# Allegro board reComputer Industrial J201_V1.2.brd (continued)
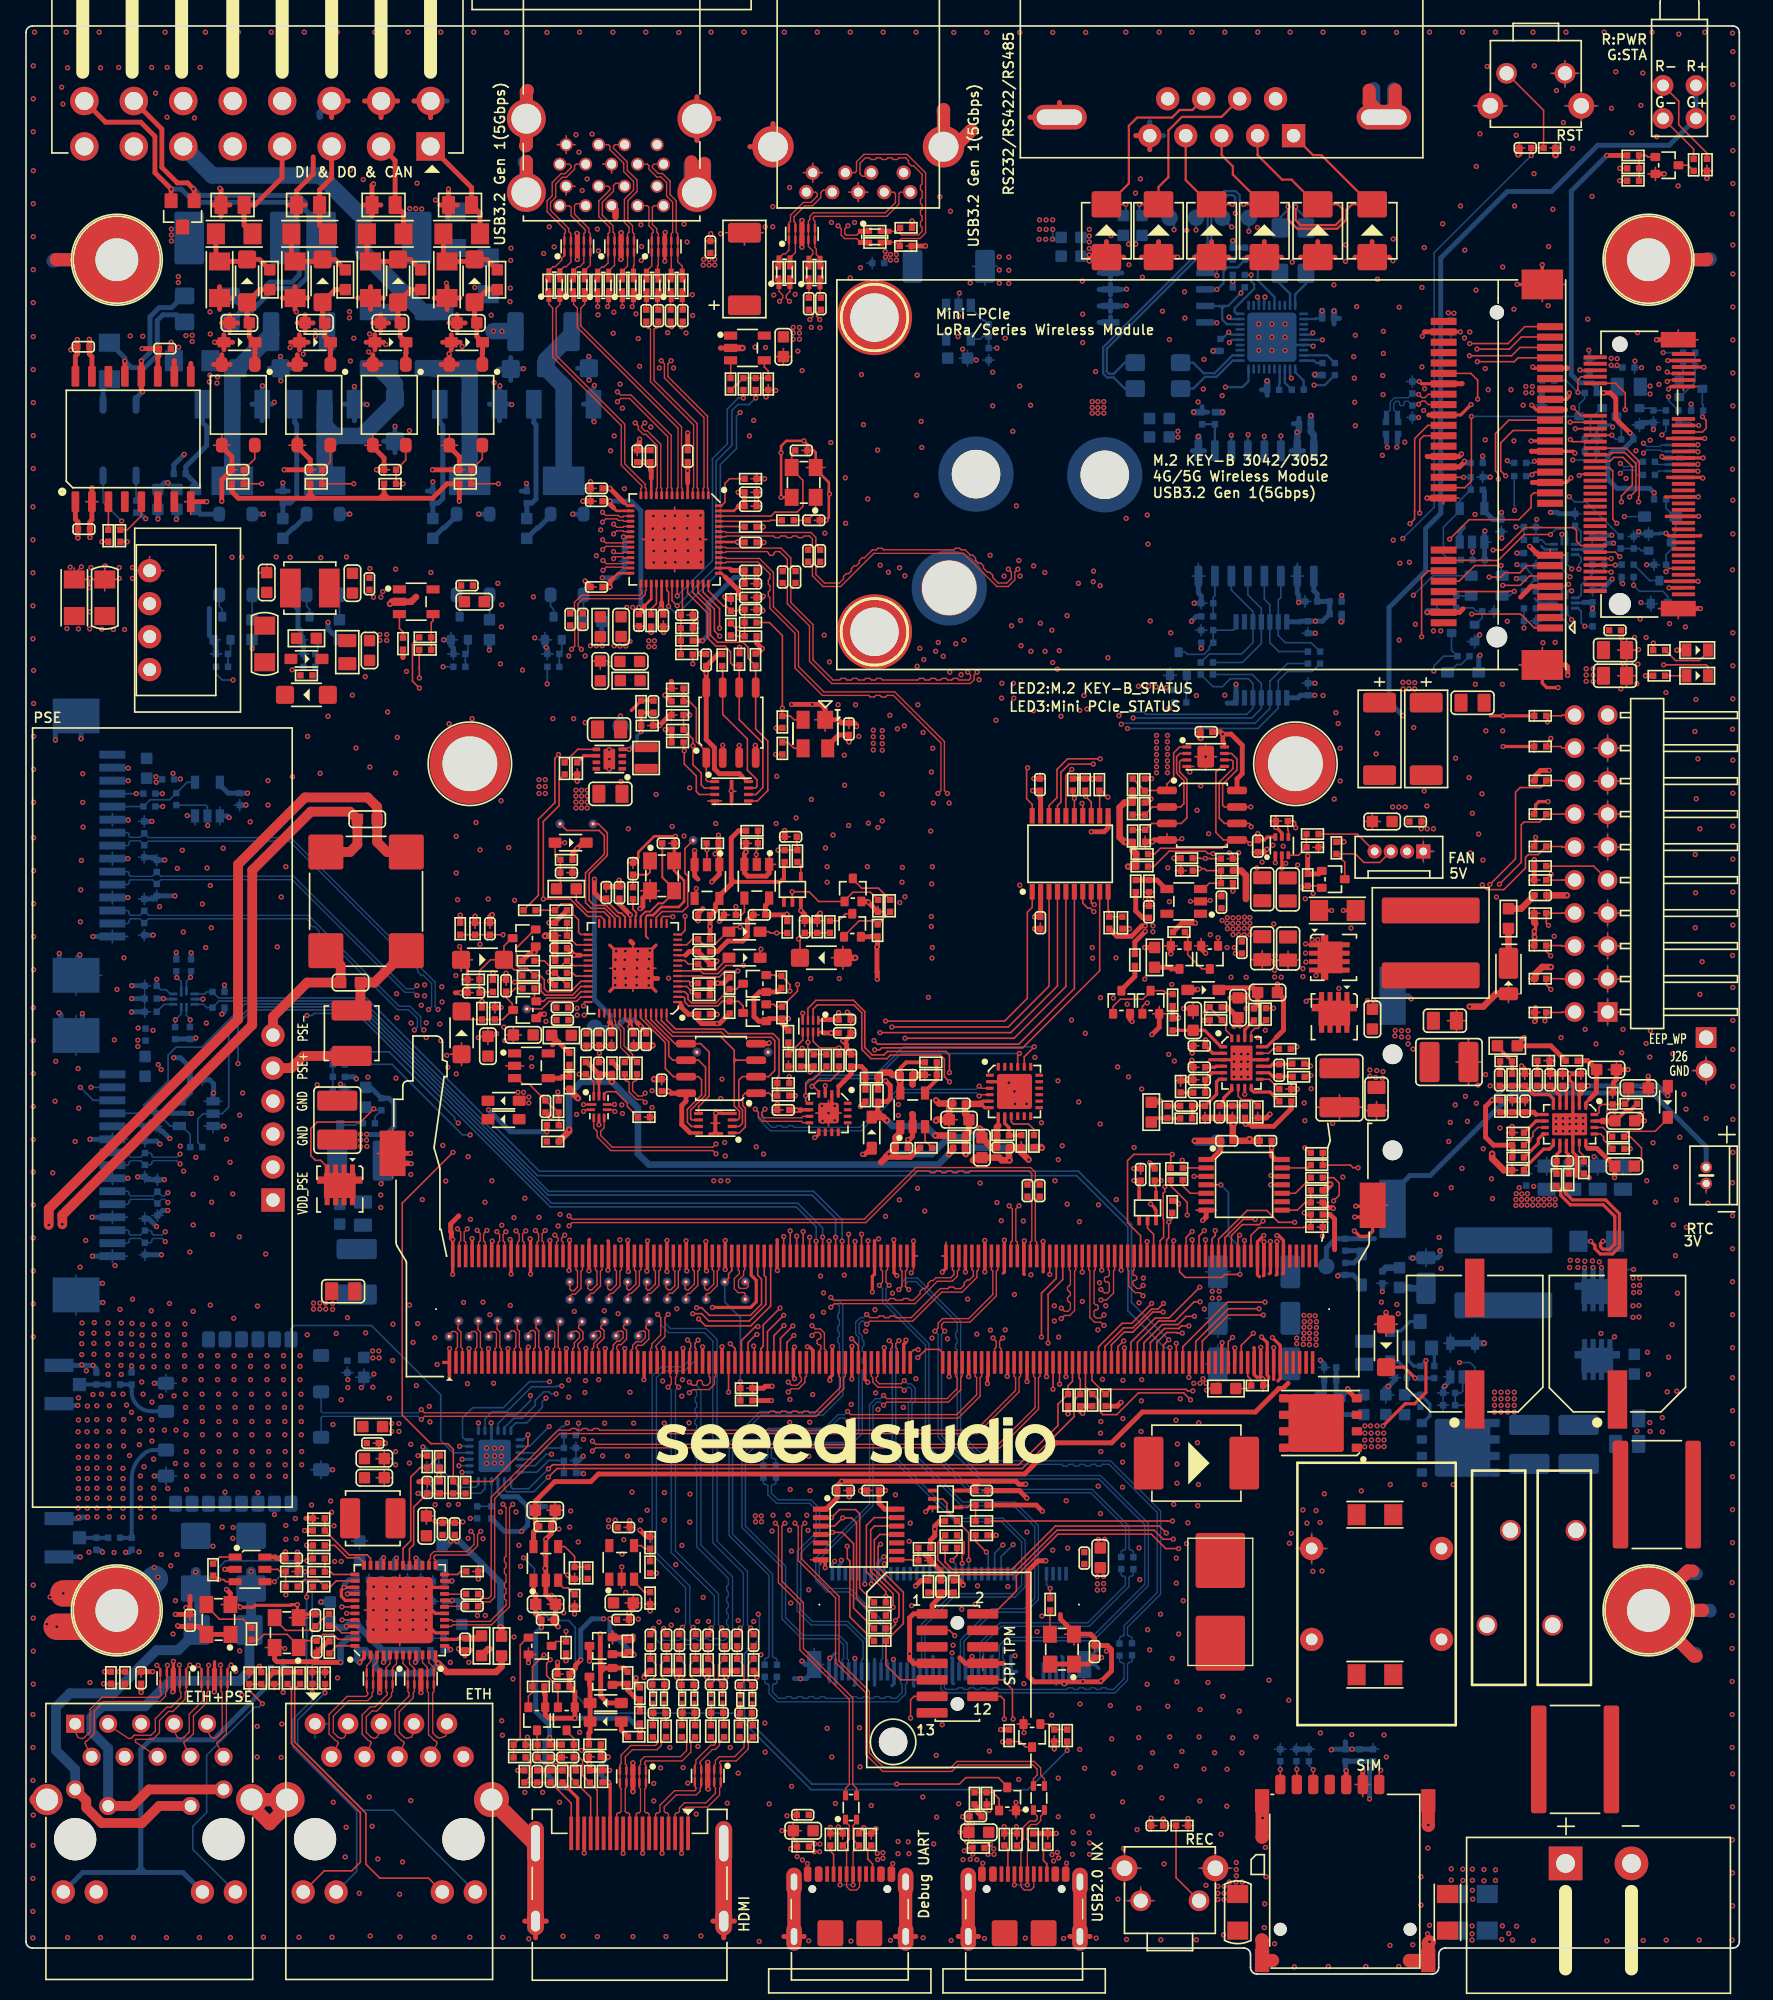
[diagram p0: board, top side]
## Placement (name value [footprint] x y rotation side) (continued)
C296  100nF  [C0402]  16.47 90.47 270 bottom
C297  100nF  [C0402]  13.11 68.86 0 bottom
C298  100nF  [C0402]  62.97 37.23 180 top
C299  100nF  [C0402]  92.51 64.16 180 top
C300  100nF  [C0402]  65.25 37.23 180 top
C301  100nF  [C0402]  95.5 64.16 180 top
C302  100nF  [C0402]  75.27 63.64 0 top
C303  10nF  [C0603]  25.01 76.34 180 top
C304  10nF  [C0603]  26.29 88.92 180 top
C305  100nF  [C0402]  41.91 40.51 0 bottom
D1  TPD1E10B06DPYR  [D0402]  117.38 140.61 180 top
D2  SM712-02HTG  [SOT23]  12.07 135.53 180 top
D3  ESDPSA0402V05  [D0402]  67.8 134.46 180 top
D4  SMBJ16CA  [DO_214AA_SMB]  83.24 134.23 90 top
D5  SMBJ16CA  [DO_214AA_SMB]  87.25 134.23 90 top
D6  SMBJ16CA  [DO_214AA_SMB]  91.34 134.23 90 top
D7  SMBJ16CA  [DO_214AA_SMB]  95.41 134.23 90 top
D8  SMBJ16CA  [DO_214AA_SMB]  99.52 134.23 90 top
D9  SMBJ16CA  [DO_214AA_SMB]  103.71 134.23 90 top
D10  ESDPSA0402V05  [D0402]  67.78 133.06 180 top
D11  3.3V  [SOD_123]  17.04 130.38 90 top
D12  3.3V  [SOD_123]  22.85 130.38 90 top
D13  3.3V  [SOD_123]  28.67 130.38 90 top
D14  3.3V  [SOD_123]  34.56 130.38 90 top
D15  PMEG3010CEJ  [SOD_323]  16.45 125.65 0 top
D16  PMEG3010CEJ  [SOD_323]  22.27 125.65 0 top
D17  PMEG3010CEJ  [SOD_323]  28.08 125.65 0 top
D18  PMEG3010CEJ  [SOD_323]  33.97 125.65 0 top
D19  PMEG3010CEJ  [SOD_323]  21.61 101.26 0 top
D20  TPD1E10B06DPYR  [D0402]  116.66 96.88 0 top
D21  MMSZ5232BT1G  [SOD_123]  21.61 98.5 180 top
D22  TPD1E10B06DPYR  [D0402]  116.66 94.52 0 top
D23  TPD1E10B06DPYR  [D0402]  116.66 91.9 0 top
D24  TPD1E10B06DPYR  [D0402]  116.66 89.31 0 top
D25  TPD1E10B06DPYR  [D0402]  116.66 86.82 0 top
D26  PMEG3010CEJ  [SOD_323]  41.96 87.12 0 top
D27  TPD1E10B06DPYR  [D0402]  116.66 84.23 0 top
D28  TPD1E10B06DPYR  [D0402]  116.66 81.68 0 top
D29  PMEG3010CEJ  [SOD_323]  55.35 80.26 0 top
D30  TPD1E10B06DPYR  [D0402]  116.66 79.19 0 top
D31  PMEG3010CEJ  [SOD_323]  55.36 78.25 0 top
D32  3.3V  [SOD_123]  61.28 78.25 180 top
D33  3.3V  [SOD_123]  35.17 78.1 0 top
D34  DFLS240L-7  [POWERDI123]  114.21 77 90 top
D35  TPD1E10B06DPYR  [D0402]  116.66 76.64 0 top
D36  1N4148WS  [SOD_323]  90.7 75.78 0 top
D37  TPD1E10B06DPYR  [D0402]  116.66 74.04 0 top
D38  3.3V  [SOD_123]  33.56 72.47 90 top
D39  PMEG3010CEJ  [SOD_323]  36.8 67.24 180 top
D40  1N4148WS  [SOD_323]  126.48 67.16 270 top
D41  PMEG3010CEJ  [SOD_323]  36.79 65.82 180 top
D42  TPD1E10B06DPYR  [D0402]  99.44 57.51 180 top
D43  TPD1E10B06DPYR  [D0402]  88.31 59.08 270 top
D44  MMSZ5254A  [SOD_123]  104.78 48.38 270 top
D45  TPD1E10B06DPYR  [D0402]  94.86 45.31 180 top
D46  SMCJ26CA  [DO_214AB_SMC]  90.17 39.34 0 top
D47  PMEG3010CEJ  [SOD_323]  44.66 20.87 180 top
D48  PMEG3010CEJ  [SOD_323]  44.66 19.44 180 top
D49  TPD1E10B06DPYR  [D0402]  38.4 15.21 270 top
D50  TPD1E10B06DPYR  [D0402]  41.34 15.21 270 top
D51  ESDPSA0402V05  [D0402]  42.36 15.21 270 top
D52  TPD1E10B06DPYR  [D0402]  44.42 15.21 270 top
D53  ESDPSA0402V05  [D0402]  43.44 15.21 270 top
D54  TPD1E10B06DPYR  [D0402]  89.06 11.43 180 top
D55  ESDPSA0402V05  [D0402]  62.93 10.36 270 top
D56  ESDPSA0402V05  [D0402]  64.17 10.36 270 top
D57  ESDPSA0402V05  [D0402]  76.34 10.36 270 top
D58  ESDPSA0402V05  [D0402]  77.6 10.36 270 top
D59  TPD1E10B06DPYR  [D0402]  59.86 9.81 0 top
D60  TPD1E10B06DPYR  [D0402]  73.38 9.71 0 top
D61  MMSZ5260BT1G  [SOD_123]  41.71 123.64 180 bottom
D62  MMSZ5260BT1G  [SOD_123]  28.43 119.68 90 bottom
D63  MMSZ5260BT1G  [SOD_123]  17.97 123.64 180 bottom
D64  MMSZ5260BT1G  [SOD_123]  35.7 123.59 180 bottom
D65  ESDPSA0402V05  [D0402]  106.8 122.16 270 bottom
D66  ESDPSA0402V05  [D0402]  106.81 120.31 90 bottom
D67  PMEG3010CEJ  [SOD_323]  125.9 112.22 180 bottom
D68  SMCJ13CA  [DO_214AB_SMC]  16.26 133.68 0 bottom
D69  PMEG3010CEJ  [SOD_323]  112.54 107.67 180 bottom
D70  PMEG3010CEJ  [SOD_323]  112.54 106.15 180 bottom
D71  ESDPSA0402V05  [D0402]  9.51 90.89 180 bottom
D72  ESDPSA0402V05  [D0402]  9.51 89.9 180 bottom
D73  ESDPSA0402V05  [D0402]  9.11 88.29 270 bottom
D74  ESDPSA0402V05  [D0402]  9.11 86.45 90 bottom
D75  ESDPSA0402V05  [D0402]  10.07 85.32 270 bottom
D76  ESDPSA0402V05  [D0402]  10.07 83.48 90 bottom
D77  ESDPSA0402V05  [D0402]  9.11 82.32 270 bottom
D78  ESDPSA0402V05  [D0402]  9.11 80.46 90 bottom
D79  ESDPSA0402V05  [D0402]  9.56 66.28 180 bottom
D80  ESDPSA0402V05  [D0402]  9.56 65.29 180 bottom
D81  ESDPSA0402V05  [D0402]  9.16 63.68 270 bottom
D82  ESDPSA0402V05  [D0402]  9.16 61.84 90 bottom
D83  ESDPSA0402V05  [D0402]  10.13 60.7 270 bottom
D84  ESDPSA0402V05  [D0402]  10.13 58.87 90 bottom
D85  ESDPSA0402V05  [D0402]  9.16 57.71 270 bottom
D86  ESDPSA0402V05  [D0402]  9.16 55.85 90 bottom
D87  PMEG3010CEJ  [SOD_323]  102.91 54.26 270 bottom
D88  DFLS240L-7  [POWERDI123]  107.86 53.62 270 bottom
D89  PMEG3010CEJ  [SOD_323]  105.1 48.33 270 bottom
D90  ESDPSA0402V05  [D0402]  101.66 16.85 270 bottom
D91  ESDPSA0402V05  [D0402]  98.84 16.85 270 bottom
D92  ESDPSA0402V05  [D0402]  97.87 16.85 270 bottom
D93  ESDPSA0402V05  [D0402]  96.63 16.85 270 bottom
D94  PMEG3010CEJ  [SOD_323]  65.16 64.78 90 top
D95  SMCJ13CA  [DO_214AB_SMC]  26.42 133.68 180 bottom
D96  TPD1E10B06DPYR  [D0402]  23.04 22.79 270 top
D97  TPD1E10B06DPYR  [D0402]  22.07 22.79 270 top
D98  TPD1E10B06DPYR  [D0402]  6.54 22.82 270 top
D99  TPD1E10B06DPYR  [D0402]  17.2 22.79 270 top
D100  TPD1E10B06DPYR  [D0402]  19.13 22.79 90 top
D101  PMEG3010CEJ  [SOD_323]  110.72 100.22 180 bottom
D102  SMBJ58CA  [DO_214AA_SMB]  15.18 26.49 180 bottom
D103  SMBJ58CA  [DO_214AA_SMB]  17.35 31.71 270 bottom
D104  SMBJ58CA  [DO_214AA_SMB]  13.08 31.71 270 bottom
F1  5A  [FUSE2P_HOLDER_9_73X5_03X3_81MM]  92.01 28.66 90 top
F2  0.5A  [F1812]  39.87 126.46 180 bottom
F3  0.5A  [F1812]  31.45 125.81 90 bottom
F4  0.5A  [F1812]  27.2 125.81 90 bottom
F5  0.5A  [F1812]  21.04 126.46 0 bottom
FB1  120R  [L0603]  44.25 103.74 90 top
FB2  120R  [L0603]  46.55 99.59 0 top
FB3  120R  [L0603]  41.63 83.56 0 top
FB4  120R  [L0603]  41.25 72.28 0 top
FB5  120R  [L0603]  92.45 45.08 180 top
FB6  120R  [L0603]  26.71 42.15 0 top
FB7  120R  [L0603]  35.1 25.28 270 top
FB8  120R  [L0603]  36.64 25.26 90 top
FB9  120R  [L0603]  32.06 32.25 90 bottom
FB10  120R  [L0603]  23.45 27.88 90 bottom
FB11  120R  [L0603]  33.58 27.68 270 bottom
FB12  120R  [L0603]  9.3 92.84 90 bottom
FB13  120R  [L0603]  9.18 69.89 270 bottom
G1  2RP090M-8-S  [GDT2P_5D6_8_3X5_5X8_3MM]  125.64 36.92 180 top
G2  2RP090M-8-S  [GDT2P_5D6_8_3X5_5X8_3MM]  119.34 16.53 180 top
J1  DT10621-H7809-4H  [DSUB9P_1D385_31X18_59X12_48MM]  92.12 144.39 0 top
J2  YL032-096-016  [TERMINAL_2X8P_3D81]  17.83 140.72 180 top
J3  UEA1112C-4HK1-4H  [USB8P_16D5X12D5X12MM]  64.12 144.24 0 top
J4  USB-2A-01-3.0  [USB3_1_2D0_17_5X13_6X15_69MM]  45.12 142.86 180 top
J5  ST-PC-002  [PCIE52_0D8_56X30_2X4MM]  113.32 115.45 180 top
J6  2E0BC21-S85BB-7H  [CON_MINIPEX_067_SMT_RA_M2_KEYE_B]  122.8 115.49 270 top
J7  4P 1.25mm  [JST4P_1D25_6_75X3_2X4_7MM]  105.78 86.44 180 top
J8  Header 2x10Pin 2.54MM  [HEADER2X10P_2D54_DIP_90]  121.85 88.05 180 top
J9  ASAA821-EASB0-7H  [CON_SODIMM_260_SMT_0D5_SD_80888_600_C]  66 51.29 180 top
J10  WC-PSE12-52V  [PSE6P_WC-PSE12-52V]  19.03 59.6 90 top
J11  Header 2x7Pin 1.27MM  [HEADER2X7P_1D27_SMD_NP_EPT14]  71.76 23.92 270 top
J12  Header 1x2 1.25mm  [HEADER2P_1D25_DIP]  129.45 61.49 270 top
J13  LPJG4926-7HENL  [RJ45_20P_LPJG0926HENL]  9.5 10.38 0 top
J14  LPJG4933-7HENL  [RJ45_18P_LPJG0801HBNL]  27.99 10.38 0 top
J15  ST-SIM-SP132  [SIM7_4P_13_1X13_5X1_55MM]  96.64 14.59 0 top
J16  QJA5311-LF34S-7F  [HDMI19P_0D5_15X12_15X6_18MM]  46.51 10.83 0 top
J17  YL032-100-002  [TERMINAL_2P_5D08]  121.15 8.52 0 top
J18  USB2.0 Type C  [USB2_0_TYPE_C_LONG]  63.47 7.64 90 top
J19  USB2.0 Type C  [USB2_0_TYPE_C_LONG]  76.9 7.64 90 top
J20  YL002-009-015  [FPC15_1_23MM]  6.66 86.89 90 bottom
J21  2E0BC26-F20BM-7H  [CON_MINIPEX_075_SMT_RA_M2_KEYM]  71.13 27.11 0 bottom
J22  CR1220  [BAT-CR1220]  105.29 67.12 180 bottom
J23  YL002-009-015  [FPC15_1_23MM]  6.66 62.28 90 bottom
J24  U.FL-R-SMT-1(10)  [U-FL3P-SMD-2_6X2_6X1_0MM]  2.54 45.39 0 bottom
J25  U.FL-R-SMT-1(10)  [U-FL3P-SMD-2_6X2_6X1_0MM]  2.54 33.59 0 bottom
J26  Header 1x2 2.54mm  [HEADER2P_2D54_DIP]  129.44 70.84 180 bottom
L1  90R  [L2012]  65.39 133.76 0 top
L2  90R  [L2012]  58.44 131.04 90 top
L3  90R  [L2012]  60.75 131.01 90 top
L4  90R  [L2012]  40.71 130.05 90 top
L5  90R  [L2012]  42.61 130.05 90 top
L6  90R  [L2012]  44.47 130.02 90 top
L7  90R  [L2012]  46.37 130.02 90 top
L8  90R  [L2012]  48.23 130.02 90 top
L9  90R  [L2012]  50.13 130.02 90 top
L10  6.8uH  [L4X4MM]  21.87 106.72 180 top
L11  1uH  [L2016]  47.78 93.64 90 top
L12  4.7uH  [L2P_5D0_9X8_5X4_8MM]  108.22 79.39 180 top
L13  3.3uH  [L4242]  26.72 35.09 180 top
L14  2mH  [L4P_DIP_20X12X18MM]  104.05 29.27 90 top
L15  4nH  [L0201]  53.66 21.2 270 top
L16  4nH  [L0201]  48.32 21.19 270 top
L17  4nH  [L0201]  49.15 21.19 270 top
L18  4nH  [L0201]  50.55 21.19 270 top
L19  4nH  [L0201]  51.49 21.19 270 top
L20  4nH  [L0201]  52.79 21.19 270 top
L21  4nH  [L0201]  55.96 21.17 270 top
L22  4nH  [L0201]  55.02 21.14 270 top
L23  1nH  [L0402]  43.82 17.68 0 top
L24  90R  [L2012]  78.04 13.55 90 top
L25  90R  [L2012]  63.57 12.82 90 top
L26  1400R  [L4P_4_75X4_5X_2MM]  97.61 132.7 90 bottom
L27  1400R  [L4P_4_75X4_5X_2MM]  13.97 128.21 0 bottom
L28  1400R  [L4P_4_75X4_5X_2MM]  87.21 123.07 180 bottom
L29  90R  [L2012]  105.24 119.07 270 bottom
L30  4.7uH  [L2P_5D0_9X8_5X4_8MM]  113.82 53.99 0 bottom
L31  3.3uH  [L4242]  25.48 54.07 90 bottom
L32  3.3uH  [L4242]  25.09 72.44 270 top
L33  3200R  [L4P_10X8_7X6_5MM]  26.2 82.6 180 top
L34  3.3uH  [L4242]  25.73 62.63 180 bottom
LED1  A694B/SYGSUR/S530-A3  [LED4_2D54_9X4_3X9_65MM]  127.39 142.88 0 top
LED2  Green  [LED0603]  128.76 101.94 0 top
LED3  Green  [LED0603]  128.76 99.97 0 top
MH1  Hole 3.3MM  [PTH_3_3MM_6D8]  7 132 0 top
MH2  Hole 3.3MM  [PTH_3_3MM_6D8]  125 132 0 top
MH3  SMTSO2015CTJ-UL  [PTH_3_73MM_5D8_PASTE]  65.37 127.55 0 top
MH4  SMTSO2015CTJ-UL  [PTH_3_73MM_5D8_PASTE]  65.37 103.35 0 top
MH5  SMTSO2565CTJ-UL  [PTH_4_22MM_6D2_PASTE]  34.2 93.19 0 top
MH6  SMTSO2565CTJ-UL  [PTH_4_22MM_6D2_PASTE]  97.8 93.19 0 top
MH7  Hole 3.3MM  [PTH_3_3MM_6D8]  7 28 0 top
MH8  Hole 3.3MM  [PTH_3_3MM_6D8]  125 28 0 top
MH9  SMTSO2015CTJ-UL  [PTH_3_73MM_5D8_PASTE#2]  73.19 115.49 180 bottom
MH10  SMTSO2015CTJ-UL  [PTH_3_73MM_5D8_PASTE#2]  83.11 115.44 180 bottom
MH11  SMTSO3003CTJ  [PTH_4_2MM_5D8_TOP]  71.13 106.73 270 bottom
NOREF  -  []  0 149.5 0 top
NOREF#2  -  [unnamed#2]  66.81 17.88 0 top
NOREF#3  -  []  108.34 0 90 top
NOREF#4  -  []  20.83 40.48 180 bottom
NOREF#5  -  []  123.5 65.43 180 bottom
OSC1  25MHz  [X4-SMD-3_2X2_5X1_0MM]  14.83 27.3 90 top
OSC2  32.768KHz  [X4-SMD-3_2X2_5X1_0MM]  79.81 25.01 90 top
Q1  2SK3018  [SOT-323-3]  126.42 139.28 270 top
Q2  SFH690BT3  [SOP4-2_54MM]  16.36 120.83 180 top
Q3  SFH690BT3  [SOP4-2_54MM]  22.17 120.83 180 top
Q4  SFH690BT3  [SOP4-2_54MM]  27.99 120.83 180 top
Q5  SFH690BT3  [SOP4-2_54MM]  33.88 120.83 180 top
Q6  2SK3018  [SOT-323-3]  100.72 84.3 270 top
Q7  2SK3018  [SOT-323-3]  63.7 83.47 0 top
Q8  BSS84W-7-F  [SOT-323-3]  63.66 80.76 0 top
Q9  CJ3134KW  [SOT-323-3]  38.39 79.76 90 top
Q10  CJ3134KW  [SOT-323-3]  88.87 78.28 180 top
Q11  2SK3018  [SOT-323-3]  91.21 78.28 180 top
Q12  CSD17575Q3  [DFN08_SON08_0D66_3X3MM]  100.74 78.28 0 top
Q13  2SK3018  [SOT-323-3]  56.14 76.25 90 top
Q14  CJ3134KW  [SOT-323-3]  38.42 74.24 90 top
Q15  2SK3018  [SOT-323-3]  56.14 74 90 top
Q16  CSD17308Q3  [DFN08_SON08_0D66_3X3MM]  100.79 73.71 270 top
Q17  CJAC70P06  [SON8P_1D27_5X6X1MM]  99.73 42.43 180 top
Q18  MMST3904-7-F  [SOT-323-3]  39.6 25.27 270 top
Q19  2SK3018  [SOT-323-3]  44.3 25.26 90 top
Q20  2SK3018  [SOT-323-3]  44.3 22.9 90 top
Q21  2SK3018  [SOT-323-3]  39.37 19.65 180 top
Q22  2SK3018  [SOT-323-3]  41.65 19.65 180 top
Q23  MMST3904-7-F  [SOT-323-3]  75.6 13.48 0 top
Q24  2SK3018  [SOT-323-3]  128.26 122.06 90 bottom
Q25  2SK3018  [SOT-323-3]  123.42 119.94 270 bottom
Q26  2SK3018  [SOT-323-3]  120.55 119.94 270 bottom
Q27  CPC1017N  [SOP4-2_54MM-S]  7.21 118.11 180 bottom
Q28  BCP56-10T1G  [SOT223_4]  41.42 117.93 270 bottom
Q29  BCP56-10T1G  [SOT223_4]  34.19 117.93 270 bottom
Q30  BCP56-10T1G  [SOT223_4]  23.01 117.93 270 bottom
Q31  BCP56-10T1G  [SOT223_4]  15.9 117.93 270 bottom
Q32  2SK3018  [SOT-323-3]  77.52 18.36 180 top
Q33  2SK3018  [SOT-323-3]  125.9 110.23 90 bottom
Q34  SFH690BT3  [SOP4-2_54MM]  41.69 109.3 180 bottom
Q35  SFH690BT3  [SOP4-2_54MM]  34.45 109.3 180 bottom
Q36  SFH690BT3  [SOP4-2_54MM]  22.89 109.3 180 bottom
Q37  SFH690BT3  [SOP4-2_54MM]  16.16 109.3 180 bottom
Q38  2SK3018  [SOT-323-3]  125.84 106.41 180 bottom
Q39  2SK3018  [SOT-323-3]  40.65 103.63 180 bottom
Q40  2SK3018  [SOT-323-3]  33.41 103.63 180 bottom
Q41  2SK3018  [SOT-323-3]  21.85 103.63 180 bottom
Q42  2SK3018  [SOT-323-3]  15.12 103.63 180 bottom
Q43  CSD17575Q3  [DFN08_SON08_0D66_3X3MM]  121.06 52.27 270 bottom
Q44  MMBT3906LT  [SOT23]  107.4 49.22 180 bottom
Q45  CSD17308Q3  [DFN08_SON08_0D66_3X3MM]  121.06 46.99 270 bottom
Q46  CJAC70P06  [SON8P_1D27_5X6X1MM]  110.34 40.52 0 bottom
Q47  RQ3E120ATTB  [DFN08_SON08_0D66_3X3MM]  24.18 60.44 270 top
Q48  2SK3018  [SOT-323-3]  110.72 103.26 270 bottom
Q49  2SK3018  [SOT-323-3]  24.21 66.26 0 bottom
Q50  2SK3018  [SOT-323-3]  86.64 74.83 0 top
Q51  CJ3134KW  [SOT-323-3]  84.39 74.83 0 top
Q52  2SK3018  [SOT-323-3]  88.8 100.89 180 bottom
R1  10K  [R0402]  123.82 140.03 0 top
R2  1K  [R0402]  129.5 139.31 270 top
R3  1K  [R0402]  128.48 139.3 270 top
R4  0R  [R0402]  123.82 139.04 0 top
R5  0R  [R0402]  123.82 138.08 0 top
R6  Varistor  [R0805]  15.92 136.22 180 top
R7  Varistor  [R0805]  21.73 136.22 180 top
R8  Varistor  [R0805]  27.55 136.22 180 top
R9  Varistor  [R0805]  33.44 136.22 180 top
R10  0R  [R0402]  65.4 134.23 0 top
R11  2.2K  [R1206]  16.04 133.99 180 top
R12  2.2K  [R1206]  21.86 133.99 180 top
R13  2.2K  [R1206]  27.68 133.99 180 top
R14  2.2K  [R1206]  33.57 133.99 180 top
R15  0R  [R0402]  65.4 133.29 0 top
R16  0R  [R0402]  58.88 131.03 90 top
R17  0R  [R0402]  61.22 131.03 90 top
R18  0R  [R0402]  57.94 131.02 90 top
R19  0R  [R0402]  60.28 131.02 90 top
R20  2.2K  [R1206]  14.91 130.46 270 top
R21  0R  [R0603]  18.79 130.46 270 top
R22  2.2K  [R1206]  20.73 130.46 270 top
R23  0R  [R0603]  24.6 130.46 270 top
R24  2.2K  [R1206]  26.55 130.46 270 top
R25  0R  [R0603]  30.42 130.46 270 top
R26  2.2K  [R1206]  32.44 130.46 270 top
R27  0R  [R0603]  36.31 130.46 270 top
R28  0R  [R0402]  43.06 130.04 90 top
R29  0R  [R0402]  44.94 130.04 90 top
R30  0R  [R0402]  46.84 130.04 90 top
R31  0R  [R0402]  42.13 130.03 90 top
R32  0R  [R0402]  40.23 130.03 90 top
R33  0R  [R0402]  41.17 130.03 90 top
R34  0R  [R0402]  49.66 130.03 90 top
R35  0R  [R0402]  50.6 130.03 90 top
R36  0R  [R0402]  44 130.03 90 top
R37  0R  [R0402]  45.9 130.03 90 top
R38  0R  [R0402]  47.79 130.02 90 top
R39  0R  [R0402]  48.73 130.02 90 top
R40  0R  [R0402]  54.28 122.43 270 top
R41  0R  [R0402]  55.27 122.43 90 top
R42  0R  [R0402]  56.22 122.43 90 top
R43  12K  [R0402]  55.82 115.14 0 top
R44  10K  [R0402]  16.32 114.75 0 top
R45  10K  [R0402]  22.36 114.75 0 top
R46  10K  [R0402]  28.05 114.75 0 top
R47  10K  [R0402]  33.85 114.75 0 top
R48  0R  [R0402]  58.69 111.94 180 top
R49  1K  [R0402]  55.82 111.43 0 top
R50  27R  [R0402]  7.27 110.75 90 top
R51  27R  [R0402]  6.34 110.75 90 top
R52  10K  [R0402]  48.17 104.22 270 top
R53  0R  [R0402]  55.82 104.06 180 top
R54  100K  [R0402]  50.91 103.62 0 top
R55  0R  [R0402]  54.31 103.53 270 top
R56  1M  [R1206]  3.72 105.97 270 top
R57  10K  [R0402]  55.82 103.01 180 top
R58  10K  [R0402]  50.91 102.66 180 top
R59  2.2K  [R0402]  125.82 101.94 180 top
R60  100K  [R0402]  54.97 101.23 90 top
R61  10K  [R0402]  56.21 101.21 270 top
R62  10K  [R0402]  53.64 101.18 270 top
R63  0R  [R0402]  30.76 102.93 0 top
R64  0R  [R0603]  21.61 102.85 0 top
R65  1K  [R0402]  125.82 99.97 180 top
R66  15K  [R0402]  29.05 102.44 270 top
R67  0R  [R0402]  30.76 101.96 0 top
R68  510R  [R0805]  24.76 101.78 270 top
R69  10K  [R0402]  50.2 98 0 top
R70  100K  [R0402]  47.39 97.59 270 top
R71  0R  [R0402]  21.61 100 180 top
R72  200K  [R0402]  50.2 96.95 180 top
R73  10K  [R0402]  58.27 96.41 90 top
R74  100K  [R0402]  47.86 96.13 0 top
R75  10K  [R0402]  50.2 94.84 0 top
R76  0R  [R0402]  58.27 94.37 90 top
R77  0R  [R0402]  41.5 92.83 90 top
R78  0R  [R0402]  42.47 92.83 270 top
R79  100K  [R0402]  80.65 91.58 270 top
R80  100K  [R0402]  81.6 91.58 270 top
R81  100K  [R0402]  82.69 91.58 270 top
R82  10K  [R0402]  85.26 91.58 90 top
R83  10K  [R0402]  86.2 91.58 90 top
R84  10K  [R0402]  85.26 89.74 270 top
R85  10K  [R0402]  86.2 89.74 90 top
R86  100K  [R0402]  96.75 88.78 180 top
R87  10K  [R0402]  55.93 88.03 0 top
R88  10K  [R0402]  86.22 87.65 270 top
R89  10K  [R0402]  85.26 87.63 90 top
R90  200R  [R0402]  99.11 87.78 0 top
R91  100K  [R0402]  55.93 87.07 180 top
R92  1M  [R0402]  52.89 87.06 0 top
R93  10K  [R0402]  100.96 86.72 270 top
R94  10K  [R0402]  99.11 86.76 0 top
R95  47K  [R0402]  85.99 86.24 0 top
R96  200R  [R0402]  59.43 86.08 270 top
R97  100K  [R0402]  58.45 86.08 90 top
R98  10K  [R0402]  92.51 85.89 0 top
R99  47K  [R0402]  85.99 85.28 0 top
R100  10K  [R0402]  41.64 85.8 180 top
R101  100K  [R0402]  89.43 84.96 180 top
R102  10K  [R0402]  92.53 84.96 180 top
R103  10K  [R0402]  98.75 84.25 270 top
R104  51K  [R0402]  92.52 83.99 180 top
R105  100K  [R0402]  85.5 83.77 90 top
R106  44.2K  [R0402]  86.52 83.77 270 top
R107  0R  [R0402]  46.76 83.23 270 top
R108  100K  [R0402]  66.57 82.25 90 top
R109  100K  [R0402]  65.64 82.25 270 top
R110  0R  [R0402]  38.8 81.91 180 top
R111  10K  [R0402]  41.22 81.91 180 top
R112  7mR  [R1206]  101.03 81.89 180 top
R113  100K  [R0402]  54.23 81.56 180 top
R114  10R  [R0603]  114.21 81.27 90 top
R115  10K  [R0402]  83.46 80.95 90 top
R116  1M  [R0402]  84.47 80.95 90 top
R117  10K  [R0402]  41.22 80.95 180 top
R118  5.1K  [R0402]  60.96 80.64 90 top
R119  19.6K  [R0402]  61.93 80.64 270 top
R120  100K  [R0402]  58.65 80.62 270 top
R121  100K  [R0402]  33.46 80.49 270 top
R122  100K  [R0402]  34.6 80.49 90 top
R123  100K  [R0402]  65.61 80.36 270 top
R124  100K  [R0402]  88.83 80.23 0 top
R125  0R  [R0402]  41.22 79.96 180 top
R126  10K  [R0402]  52.24 79.68 180 top
R127  0R  [R0603]  86.95 78.28 270 top
R128  10K  [R0402]  38.71 78.02 180 top
R129  0R  [R0402]  41.22 78.02 180 top
R130  10K  [R0402]  52.24 77.77 180 top
R131  0R  [R0402]  41.21 77.09 180 top
R132  0R  [R0402]  38.71 76.88 180 top
R133  47K  [R0402]  34.48 76.58 180 top
R134  47K  [R0402]  58.19 76.39 90 top
R135  10K  [R0402]  52.23 76.3 180 top
R136  10K  [R0402]  54.21 76.3 270 top
R137  100K  [R0402]  41.22 76.14 0 top
R138  100K  [R0402]  35.97 76.09 270 top
R139  0R  [R0402]  38.71 75.89 180 top
R140  10K  [R0402]  52.22 75.36 180 top
R141  100K  [R0402]  91.65 74.44 180 top
R142  10K  [R0402]  54.21 74.43 90 top
R143  47K  [R0402]  58.24 74.02 90 top
R144  100K  [R0402]  35.13 73.96 270 top
R145  12.4K  [R0402]  36.12 73.96 90 top
R146  0R  [R0402]  95.53 73.91 90 top
R147  2.2R  [R0402]  94.61 73.89 90 top
R148  1M  [R0402]  91.66 73.46 180 top
R149  0R  [R0402]  88.34 73.12 270 top
R150  0R  [R0402]  96.98 71.24 0 top
R151  100K  [R0402]  41.86 70.47 270 top
R152  0R  [R0402]  62.63 70.35 90 top
R153  0R  [R0402]  61.66 70.35 90 top
R154  0R  [R0402]  58.74 72.19 90 top
R155  100K  [R0402]  58.74 70.35 270 top
R156  100K  [R0402]  59.71 70.35 90 top
R157  10R  [R0603]  114.12 71.47 180 top
R158  0R  [R0402]  98.02 70.1 180 top
R159  10K  [R0402]  43.14 69.75 270 top
R160  0R  [R0402]  47.61 65.98 0 top
R161  27R  [R0402]  46.13 69.75 90 top
R162  27R  [R0402]  47.07 69.75 90 top
R163  51K  [R0402]  116.91 70.33 0 top
R164  0R  [R0402]  119.08 70.33 0 top
R165  0R  [R0402]  114.02 70.28 180 top
R166  0R  [R0402]  98.05 69.08 180 top
R167  0R  [R0402]  65.13 69.02 180 top
R168  20K  [R0402]  41.86 68.63 270 top
R169  1K  [R0402]  58.35 68.6 0 top
R170  51K  [R0402]  88.96 68.34 90 top
R171  100K  [R0402]  97.02 68.14 0 top
R172  0R  [R0402]  64.67 67.64 90 top
R173  66.5K  [R0402]  114.5 68.86 270 top
R174  12.4K  [R0402]  115.47 68.86 90 top
R175  10K  [R0402]  58.35 67.64 180 top
R176  0R  [R0402]  97.02 67.19 0 top
R177  0R  [R0402]  41.03 66.8 270 top
R178  39.2K  [R0402]  92.94 66.39 270 top
R179  0R  [R0402]  93.92 66.39 90 top
R180  12.4K  [R0402]  90.83 66.38 270 top
R181  22K  [R0402]  122.24 67.42 90 top
R182  39.2K  [R0402]  94.9 66.38 270 top
R183  10R  [R0603]  86.69 66.37 270 top
R184  0R  [R0402]  87.94 66.37 90 top
R185  100K  [R0402]  123.66 67.01 180 top
R186  39.2K  [R0402]  89.38 65.88 0 top
R187  0R  [R0402]  113.56 66.82 270 top
R188  39.2K  [R0402]  114.51 66.82 90 top
R189  10K  [R0402]  40.59 65.36 0 top
R190  39.2K  [R0402]  114.95 64.79 180 top
R191  2.2R  [R0402]  122.66 64.47 0 top
R192  10K  [R0402]  114.95 63.82 0 top
R193  0R  [R0402]  122.69 63.54 0 top
R194  0R  [R0402]  114.95 62.87 180 top
R195  10K  [R0402]  86.96 61.56 270 top
R196  0R  [R0402]  120.02 62.1 270 top
R197  100K  [R0402]  114.95 61.9 180 top
R198  0R  [R0402]  118.85 61.17 90 top
R199  0R  [R0402]  117.91 61.16 90 top
R200  0R  [R0402]  99.44 63.23 0 top
R201  10K  [R0402]  99.44 58.48 180 top
R202  0R  [R0402]  99.44 62.29 0 top
R203  47K  [R0402]  82.16 44.19 90 top
R204  47K  [R0402]  83.18 44.19 90 top
R205  47K  [R0402]  80.28 44.19 90 top
R206  47K  [R0402]  81.22 44.19 90 top
R207  0R  [R0402]  30.92 39.46 90 top
R208  10K  [R0402]  31.88 39.46 90 top
R209  10K  [R0402]  31.88 37.47 270 top
R210  0R  [R0402]  32.92 37.47 270 top
R211  0R  [R0402]  33.87 37.47 270 top
R212  47K  [R0402]  73.62 36.11 180 top
R213  47K  [R0402]  71.26 34.88 0 top
R214  0R  [R0402]  73.62 34.88 0 top
R215  0R  [R0402]  22.56 35.09 180 top
R216  0R  [R0402]  71.27 33.78 0 top
R217  47K  [R0402]  73.62 33.78 180 top
R218  1K  [R0402]  48.08 31.33 90 top
R219  499R  [R0402]  22.56 34.15 180 top
R220  0R  [R0402]  71.28 32.81 0 top
R221  0R  [R0402]  22.56 33 180 top
R222  100K  [R0402]  48.08 33.22 90 top
R223  0R  [R0402]  22.56 31.99 180 top
R224  100K  [R0402]  42.27 30.88 270 top
R225  1K  [R0402]  43.27 30.88 90 top
R226  7mR  [R1206]  103.92 35.37 180 top
R227  820KD14  [RES_0D8_16_5X4_1X20MM]  113.46 30.51 90 top
R228  820KD14  [RES_0D8_16_5X4_1X20MM]  118.52 30.51 270 top
R229  1K  [R0402]  14.42 31.14 90 top
R230  200R  [R0402]  34.39 31 0 top
R231  10K  [R0402]  20.47 30.99 0 top
R232  0R  [R0402]  22.56 30.97 180 top
R233  15K  [R0402]  48.08 28.95 270 top
R234  0R  [R0402]  20.47 29.83 180 top
R235  0R  [R0402]  22.57 29.83 180 top
R236  15K  [R0402]  42.27 28.77 270 top
R237  27R  [R0402]  78.91 28.46 90 top
R238  7mR  [R1206]  103.92 23.05 180 top
R239  0R  [R0402]  23.35 27.27 90 top
R240  100K  [R0402]  46.35 25.25 90 top
R241  0R  [R0402]  17.38 26.19 270 top
R242  10K  [R0402]  41.61 25.14 90 top
R243  6.04K  [R0402]  23.37 25.15 90 top
R244  499R  [R0402]  48.11 23.81 90 top
R245  499R  [R0402]  49.35 23.81 90 top
R246  499R  [R0402]  50.34 23.81 90 top
R247  499R  [R0402]  51.59 23.81 90 top
R248  499R  [R0402]  52.55 23.81 90 top
R249  499R  [R0402]  53.82 23.81 90 top
R250  499R  [R0402]  54.79 23.81 90 top
R251  499R  [R0402]  56.06 23.81 90 top
R252  499R  [R0402]  7.63 22.82 270 top
R253  499R  [R0402]  18.13 22.79 270 top
R254  150K  [R0402]  46.35 22.81 90 top
R255  10K  [R0402]  39.48 22.14 180 top
R256  10K  [R0402]  41.41 22.14 180 top
R257  10K  [R0402]  38.03 17.66 0 top
R258  33K  [R0402]  46.84 18.27 180 top
R259  10K  [R0402]  38.03 16.68 0 top
R260  5.1R  [R0402]  48.29 18.7 270 top
R261  5.1R  [R0402]  49.31 18.7 270 top
R262  5.1R  [R0402]  50.53 18.7 270 top
R263  5.1R  [R0402]  51.54 18.7 270 top
R264  5.1R  [R0402]  52.76 18.7 270 top
R265  5.1R  [R0402]  53.78 18.7 270 top
R266  5.1R  [R0402]  54.97 18.7 270 top
R267  5.1R  [R0402]  55.99 18.7 270 top
R268  2.2K  [R0402]  39.88 17.66 180 top
R269  2.2K  [R0402]  41.74 17.66 0 top
R270  499R  [R0402]  20.15 22.79 90 top
R271  499R  [R0402]  21.11 22.79 90 top
R272  10K  [R0402]  74.01 13.53 270 top
R273  10K  [R0402]  73.08 13.52 90 top
R274  5.1K  [R0402]  61.97 10.36 90 top
R275  5.1K  [R0402]  65.12 10.36 90 top
R276  5.1K  [R0402]  75.38 10.36 90 top
R277  5.1K  [R0402]  78.72 10.36 90 top
R278  0R  [R0603]  85.99 134.63 90 bottom
R279  0R  [R0603]  84.54 134.63 90 bottom
R280  0R  [R0603]  80.51 133.72 0 bottom
R281  1M  [R1206]  33.07 134.31 90 bottom
R282  0R  [R0603]  80.51 132.27 0 bottom
R283  0R  [R0402]  74.16 126.56 270 bottom
R284  0R  [R0402]  40.59 64.1 180 top
R285  10K  [R0402]  54.31 105.44 90 top
R286  0R  [R0402]  50.91 101.61 180 top
R287  100K  [R0402]  110.75 101.47 180 bottom
R288  1K  [R0402]  128.14 124.85 0 bottom
R289  1M  [R0402]  74.16 124.73 270 bottom
R290  120R  [R1206]  6.43 124.2 270 bottom
R291  47K  [R0402]  120.45 123.85 90 bottom
R292  100K  [R0402]  128.13 123.81 180 bottom
R293  47K  [R0402]  117.28 122.7 0 bottom
R294  47K  [R0402]  120.55 121.75 180 bottom
R295  10K  [R0402]  128.75 120.38 0 bottom
R296  1K  [R0402]  126.34 119.94 90 bottom
R297  100K  [R0402]  125.38 119.94 270 bottom
R298  0R  [R0402]  127.31 119.93 90 bottom
R299  10K  [R0402]  91.6 119.8 90 bottom
R300  1M  [R0402]  90.61 119.8 90 bottom
R301  0R  [R0603]  87.32 119.78 0 bottom
R302  0R  [R0402]  105.71 119.05 270 bottom
R303  0R  [R0402]  104.77 119.05 270 bottom
R304  0R  [R0603]  87.32 118.35 0 bottom
R305  100K  [R0402]  120.55 118.19 0 bottom
R306  47K  [R0402]  123.37 118.17 180 bottom
R307  1K  [R0402]  120.55 117.23 180 bottom
R308  0R  [R0402]  115.12 116.35 0 bottom
R309  0R  [R0402]  111.77 116.35 0 bottom
R310  0R  [R0402]  115.12 115.34 0 bottom
R311  10K  [R0402]  38.58 113.72 90 bottom
R312  10K  [R0402]  31.35 113.72 90 bottom
R313  10K  [R0402]  19.79 113.72 90 bottom
R314  10K  [R0402]  11.85 115.51 180 bottom
R315  0R  [R0402]  110.08 108.89 0 bottom
R316  100K  [R0402]  111.91 108.89 0 bottom
R317  100K  [R0402]  125.9 113.55 0 bottom
R318  499R  [R0402]  8.5 113 90 bottom
R319  0R  [R0402]  119.35 111.98 270 bottom
R320  330R  [R0603]  38.58 111.31 90 bottom
R321  330R  [R0603]  31.35 111.31 90 bottom
R322  330R  [R0603]  19.79 111.31 90 bottom
R323  330R  [R0603]  13.06 113.55 90 bottom
R324  0R  [R0402]  115.87 110.43 180 bottom
R325  100K  [R0402]  111.77 114.29 180 bottom
R326  100K  [R0402]  123.86 110.23 90 bottom
R327  1K  [R0402]  122.85 110.23 90 bottom
R328  0R  [R0402]  115.87 109.42 180 bottom
R329  0R  [R0402]  123.4 108.53 180 bottom
R330  0R  [R0402]  121.13 108.53 180 bottom
R331  10K  [R0402]  123.39 107.58 0 bottom
R332  15K  [R0402]  115.87 107.45 0 bottom
R333  0R  [R0402]  115.87 106.47 180 bottom
R334  0R  [R0402]  100.9 105.69 180 bottom
R335  1M  [R0402]  91 105.55 0 bottom
R336  0R  [R0402]  115.87 105.15 180 bottom
R337  0R  [R0402]  100.9 104.72 180 bottom
R338  10K  [R0402]  91 104.54 0 bottom
R339  10K  [R0402]  120.69 104.23 90 bottom
R340  150R  [R0603]  43.6 104.15 180 bottom
R341  150R  [R0603]  35.7 103.51 90 bottom
R342  150R  [R0603]  24.15 103.51 90 bottom
R343  150R  [R0603]  17.41 103.51 90 bottom
R344  1M  [R0402]  91 103.48 180 bottom
R345  10K  [R0402]  91 102.51 0 bottom
R346  100K  [R0402]  40.63 101.64 180 bottom
R347  100K  [R0402]  33.39 101.64 180 bottom
R348  100K  [R0402]  21.83 101.64 180 bottom
R349  100K  [R0402]  15.1 101.64 180 bottom
R350  0R  [R0402]  99.7 101.37 90 bottom
R351  0R  [R0402]  98.76 101.37 90 bottom
R352  0R  [R0402]  91.45 100.53 90 bottom
R353  0R  [R0402]  90.51 100.53 90 bottom
R354  1K  [R0402]  40.63 100.66 0 bottom
R355  1K  [R0402]  33.39 100.66 0 bottom
R356  1K  [R0402]  21.84 100.66 0 bottom
R357  1K  [R0402]  15.11 100.66 0 bottom
R358  47K  [R0402]  12.72 77.67 270 bottom
R359  47K  [R0402]  11.58 77.67 270 bottom
R360  10K  [R0402]  9.61 76.1 180 bottom
R361  2.2K  [R0402]  14.83 75.62 180 bottom
R362  2.2K  [R0402]  14.83 74.41 180 bottom
R363  0R  [R0402]  9.61 74.09 180 bottom
R364  47K  [R0402]  12.63 72.46 90 bottom
R365  47K  [R0402]  11.49 72.46 90 bottom
R366  7mR  [R1206]  121.02 56.42 0 bottom
R367  0R  [R0402]  101.64 54.29 90 bottom
R368  10R  [R0603]  105.82 53.62 90 bottom
R369  100K  [R0402]  100.48 46.71 180 bottom
R370  10K  [R0402]  108.5 46.35 90 bottom
R371  2.2K  [R0402]  107.43 46.35 270 bottom
R372  100K  [R0402]  105.93 45.92 180 bottom
R373  100K  [R0402]  100.48 45.71 0 bottom
R374  7mR  [R1206]  109.51 4.75 270 top
R375  0R  [R0603]  103.06 43.84 90 bottom
R376  100K  [R0402]  107.43 44.14 90 bottom
R377  147K  [R0402]  111.54 43.8 180 bottom
R378  61.9K  [R0402]  109.64 43.8 180 bottom
R379  0R  [R0402]  41.91 39.53 0 bottom
R380  10K  [R0402]  41.91 38.57 180 bottom
R381  0R  [R0402]  31.34 39.05 180 bottom
R382  100K  [R0402]  35.86 35.55 90 bottom
R383  0R  [R0402]  31.34 37.02 180 bottom
R384  10K  [R0402]  31.34 37.96 180 bottom
R385  10K  [R0402]  31.34 40.01 0 bottom
R386  0R  [R0402]  34.77 35.55 90 bottom
R387  7mR  [R1206]  112.58 4.75 270 bottom
R388  100K  [R0402]  112.65 104.92 180 bottom
R389  27R  [R0402]  41.91 41.5 0 bottom
R390  100K  [R0402]  92.03 125.45 90 bottom
R391  100K  [R0402]  92.97 132.47 270 bottom
R392  100K  [R0402]  93.94 132.47 270 bottom
R393  100K  [R0402]  93.44 129.87 0 bottom
R394  100K  [R0402]  93.44 130.83 0 bottom
R395  10K  [R0402]  50.2 95.82 0 top
R396  200K  [R0402]  50.2 98.98 180 top
R397  10K  [R0402]  116.66 85.31 0 top
R398  0R  [R0402]  47.3 19.76 270 top
R399  0R  [R0402]  47.3 21.61 270 top
R400  0R  [R0402]  65.79 28.62 0 top
R401  0R  [R0402]  65.79 27.6 0 top
R402  0R  [R0402]  65.79 26.61 0 top
R403  0R  [R0402]  65.79 25.65 0 top
R404  0R  [R0603]  11.63 113.55 90 bottom
R405  0R  [R0603]  10.17 113.55 90 bottom
R406  7mR  [R1206]  35.61 130.75 270 bottom
R407  7mR  [R1206]  12.81 124.23 0 bottom
R408  100K  [R0402]  24.1 68.12 0 bottom
R409  0R  [R0402]  24.1 71.01 180 bottom
R410  100K  [R0402]  27.39 66.97 270 bottom
R411  100K  [R0402]  26.42 65.5 180 bottom
R412  10K  [R0402]  24.1 69.08 180 bottom
R413  0R  [R0402]  24.1 70.05 180 bottom
R414  100K  [R0402]  69.71 70.2 0 top
R415  20K  [R0402]  69.71 69.24 180 top
R416  10K  [R0402]  69.34 63.62 0 top
R417  0R  [R0402]  45.14 69.76 270 top
R418  100K  [R0402]  60.69 70.35 90 top
R419  0R  [R0402]  65.63 67.64 270 top
R420  0R  [R0402]  71.89 64.56 180 top
R421  1K  [R0402]  77.65 64.13 90 top
R422  0R  [R0402]  71.89 63.62 180 top
R423  22K  [R0402]  75.27 64.58 0 top
R424  47K  [R0402]  76.68 64.13 270 top
R425  0R  [R0402]  11.58 90.47 90 bottom
R426  0R  [R0402]  13.11 63.67 180 bottom
R427  10K  [R0402]  69.21 32.81 180 top
R428  1M  [R0402]  69.21 31.85 180 top
R429  10K  [R0402]  99.44 60.35 180 top
R430  1M  [R0402]  99.44 59.41 180 top
R431  0R  [R0402]  88.66 62.07 0 top
R432  0R  [R0402]  69.52 29.84 270 top
R433  0R  [R0402]  71.48 29.84 270 top
R434  1K  [R0402]  80.22 18.36 90 top
R435  100K  [R0402]  79.22 18.36 270 top
R436  0R  [R0402]  88.65 61.14 0 top
R437  10K  [R0402]  89.42 85.92 0 top
R438  100K  [R0402]  75.74 18.36 270 top
R439  0R  [R0402]  99.45 61.32 0 top
R440  1M  [R0402]  57.18 122.43 270 top
R441  1K  [R0402]  110.19 105.66 270 bottom
R442  100K  [R0402]  88.34 74.99 90 top
R443  5.1R  [R0402]  85.43 78.08 270 top
R444  0R  [R0402]  101.64 56.15 90 bottom
R445  10K  [R0402]  88.93 98.87 0 bottom
R446  0R  [R0402]  88.93 97.91 0 bottom
R447  10K  [R0402]  55.5 44.16 180 top
R448  0R  [R0402]  55.5 45.11 0 top
SW1  SKQJLBA010  [SWITCH4-8X7X7MM]  116.32 146.21 0 top
SW2  SKQJLBA010  [SWITCH4-8X7X7MM]  88.13 5.79 180 top
SW3  DIP Switches  [SW8P_1D27_6_68X5_4X2_3MM]  87.2 129.08 180 bottom
TP1  Test Point  [TP28C8D]  41.15 88.56 90 top
TP2  Test Point  [TP28C8D]  43.69 88.56 90 top
TP3  Test Point  [TP28C8D]  51.4 87.29 0 top
TP4  Test Point  [TP28C8D]  38.59 74.31 0 top
TP5  Test Point  [TP28C8D]  51.68 70.99 0 top
TP6  Test Point  [TP28C8D]  57.17 70.99 0 top
TP7  Test Point  [TP28C8D]  55.41 53.31 180 top
TP8  Test Point  [TP28C8D]  41.9 53.29 0 top
TP9  Test Point  [TP28C8D]  43.4 53.29 180 top
